# Allegro board RK_NVR_DEMO1_RK3588_LP4XD200P232SD8_V21_20211228_final_lint.brd (continued)
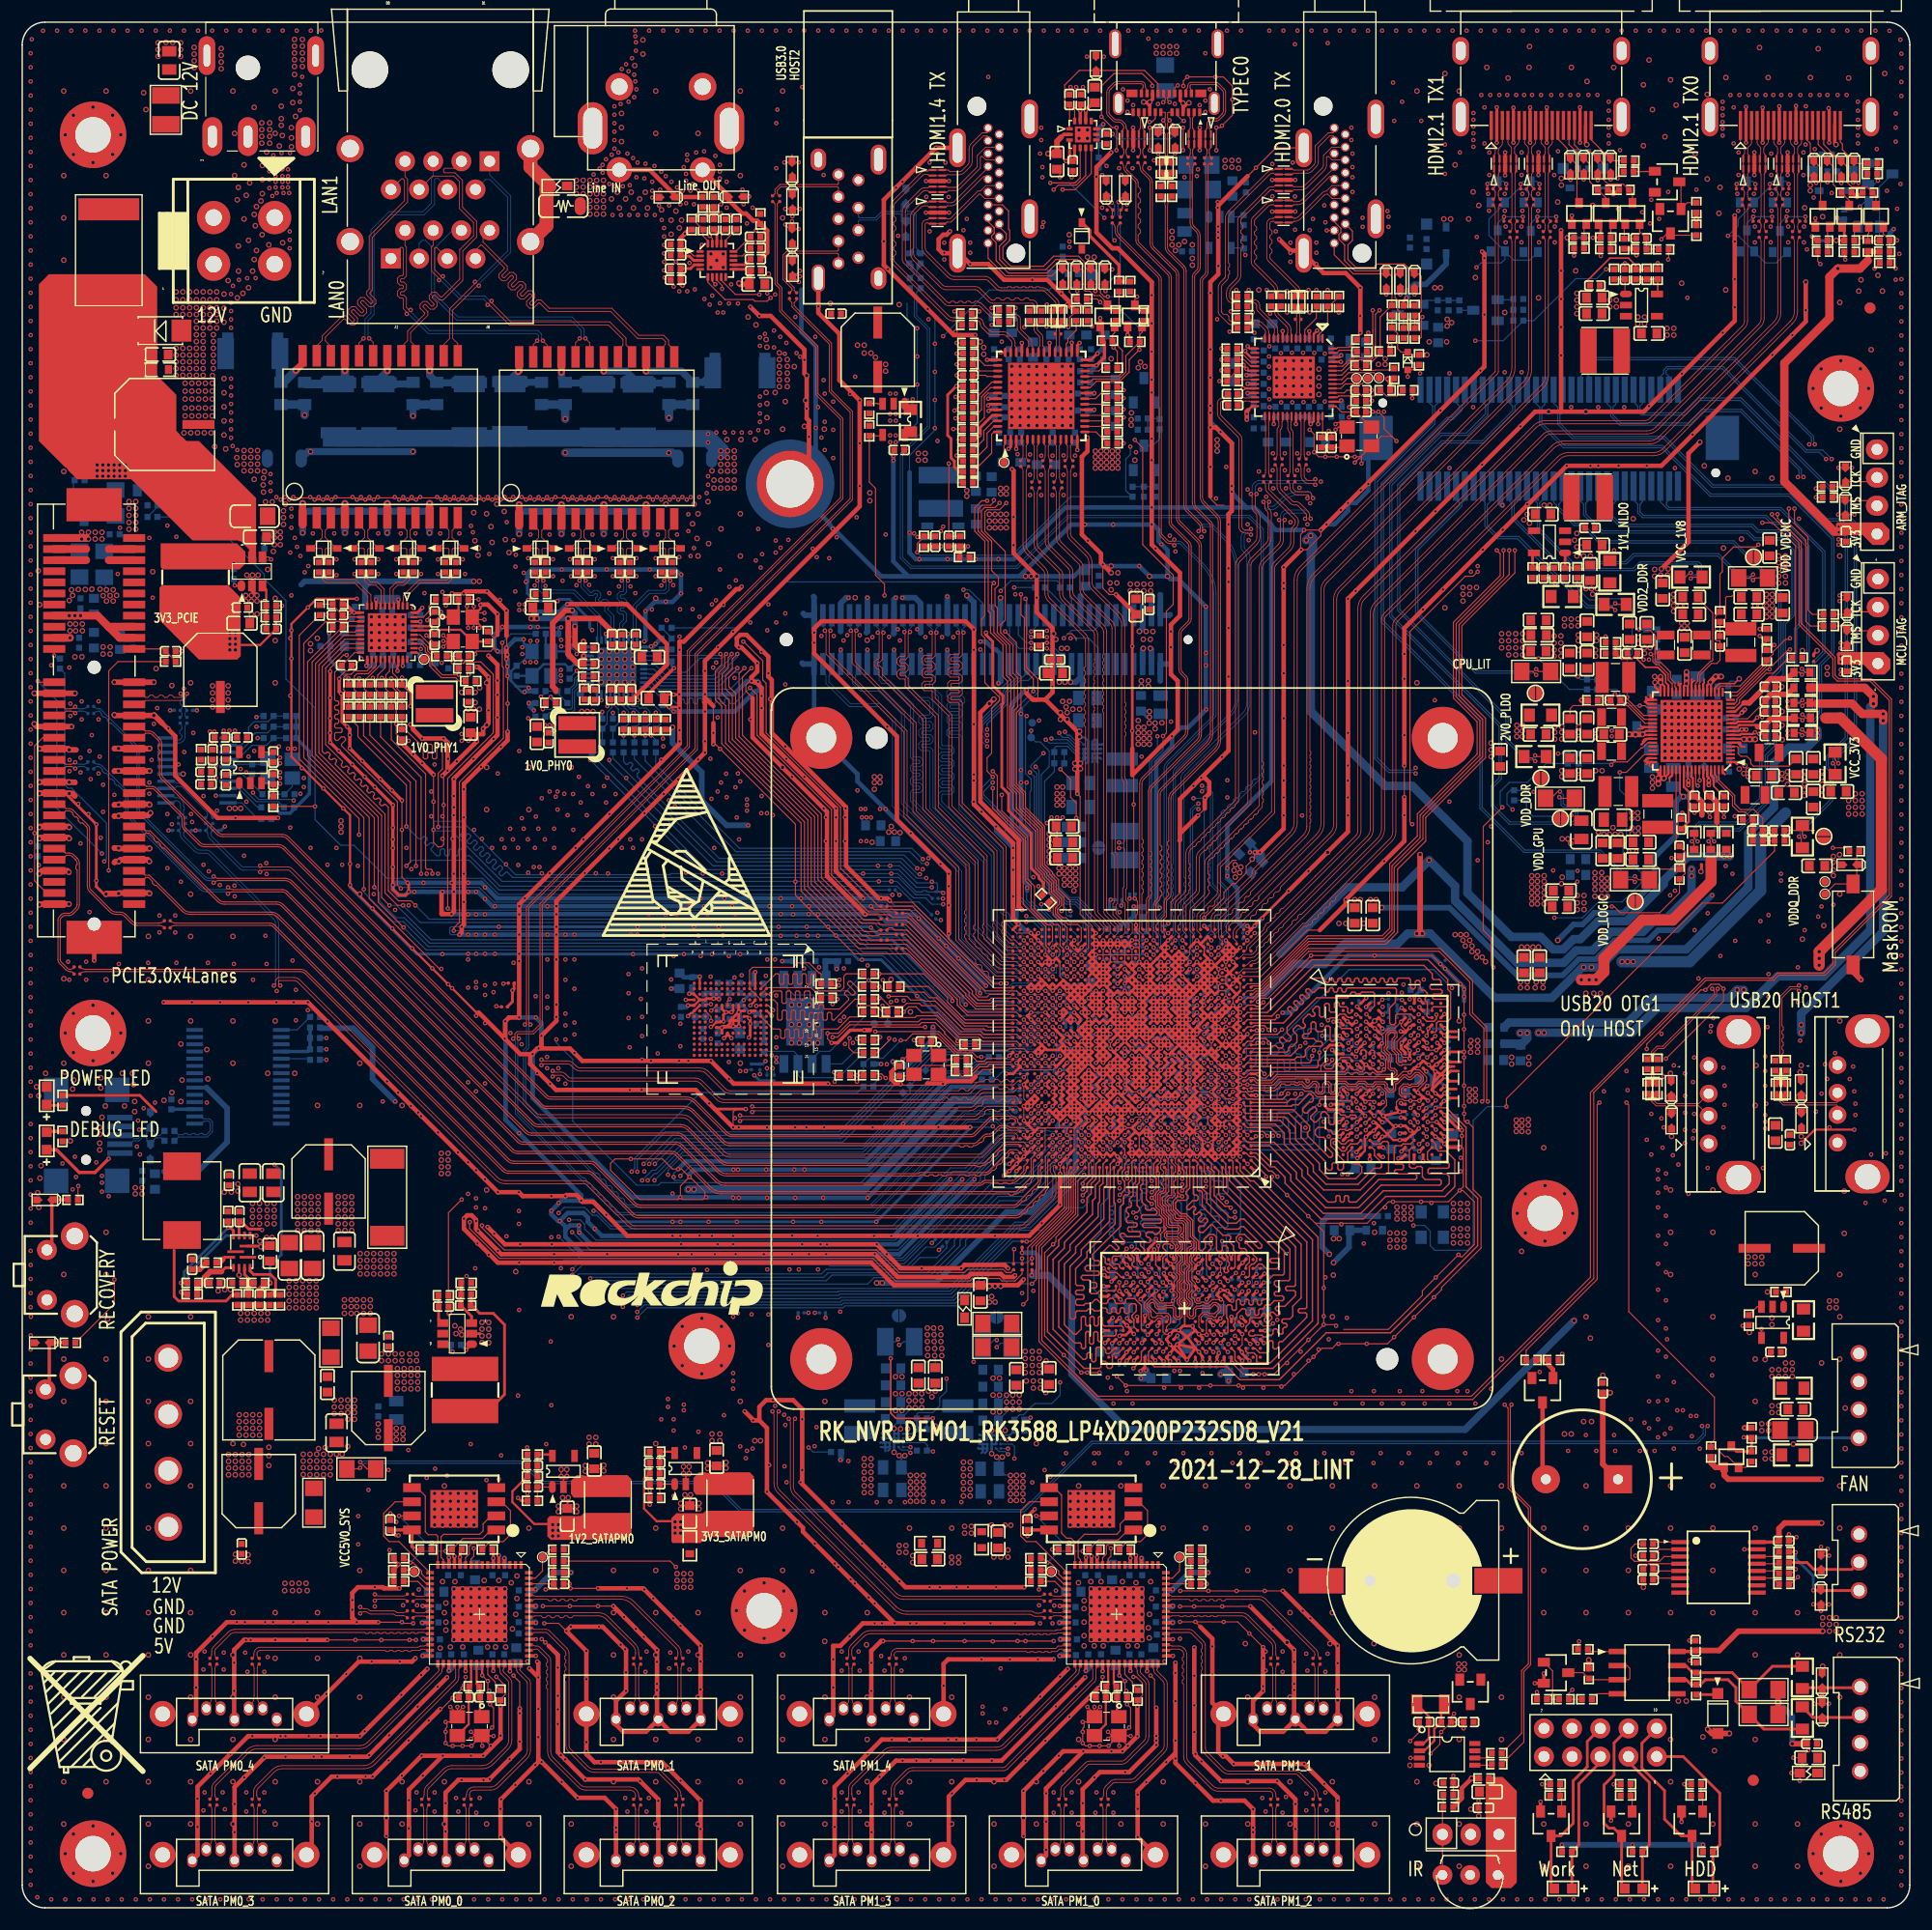
[diagram p0: board, top side]
## Placement (name value [footprint] x y rotation side) (continued)
D5002  B5819W  [SOD_123]  163.1 156.53 0 bottom
D5003  B5819WS  [SOD_323]  140.65 155.04 0 bottom
D5005  B5819W  [SOD_123]  140.65 156.79 0 bottom
D5100  B5819W  [SOD_123]  126.54 149.98 270 bottom
D5101  B5819WS  [SOD_323]  128.29 150.31 270 bottom
D5102  RB520S-30  [SOD_523]  124.84 139.44 180 top
D5500  B5819W  [SOD_123]  94.63 147.19 180 bottom
D5501  B5819WS  [SOD_323]  95.48 150.72 90 top
D6700  BS3500NCF  [SMB_F]  51.84 134.89 270 bottom
D6701  BS3500NCF  [SMB_F]  64.67 138.37 0 bottom
D6702  BS3500NCF  [SMB_F]  43.94 134.92 270 bottom
D6703  BS3500NCF  [SMB_F]  55.5 134.89 270 bottom
D6704  -  [BA301N]  51.84 135.2 270 bottom
D6705  -  [BA301N]  55.5 135.2 270 bottom
D6706  -  [BA301N]  64.67 138.57 0 bottom
D6707  -  [BA301N]  43.94 135.32 270 bottom
D6800  BS3500NCF  [SMB_F]  20.78 140.1 180 bottom
D6801  BS3500NCF  [SMB_F]  28.5 134.92 270 bottom
D6802  BS3500NCF  [SMB_F]  32.15 134.92 270 bottom
D6803  BS3500NCF  [SMB_F]  40.28 134.92 270 bottom
D6804  -  [BA301N]  20.78 140.4 180 bottom
D6805  -  [BA301N]  28.5 135.22 270 bottom
D6806  -  [BA301N]  32.15 135.22 270 bottom
D6807  -  [BA301N]  40.28 135.22 270 bottom
D7000  ESD5451N  [ESD0402]  58.09 154.2 180 top
D7001  ESD5451N  [ESD0402]  64.29 154.24 0 top
D9100  ESD5341N  [ESD0402]  11.54 71.03 90 bottom
D9101  ESD5341N  [ESD0402]  11.54 68.14 270 bottom
D9102  ESD5341N  [ESD0402]  164.27 129.19 90 top
D9103  ESD5341N  [ESD0402]  164.27 126.21 270 top
D9104  ESD5341N  [ESD0402]  164.42 117.46 90 top
D9105  ESD5341N  [ESD0402]  164.42 114.48 270 top
D9200  ESD5451N  [ESD0402]  2.04 63.81 180 top
D9201  ESD5451N  [ESD0402]  1.81 50.93 180 top
D9502  B5819W  [SOD_123]  152.78 17.52 90 top
ED2100  AZ5825-01F  [ESD0402]  152.07 102.35 135 bottom
ED2500  ESD73034D  [SON10_2R50X1R00X0R50]  106.11 159.45 180 top
ED2501  ESD73034D  [SON10_2R50X1R00X0R50]  100.11 159.45 180 top
ED5000  ESD73034D  [SON10_2R50X1R00X0R50]  156.07 157.22 0 top
ED5001  ESD73034D  [SON10_2R50X1R00X0R50]  159.07 157.22 0 top
ED5002  ESD5341N  [ESD0402]  165.06 156.76 270 top
ED5003  ESD5341N  [ESD0402]  163.91 156.75 270 top
ED5004  ESD5341N  [ESD0402]  162.65 156.76 270 top
ED5005  ESD5341N  [ESD0402]  161.45 156.75 270 top
ED5006  ESD73034D  [SON10_2R50X1R00X0R50]  133.62 157.22 0 top
ED5007  ESD73034D  [SON10_2R50X1R00X0R50]  136.62 157.22 0 top
ED5008  ESD5341N  [ESD0402]  143.11 157.01 270 top
ED5009  ESD5341N  [ESD0402]  141.96 157 270 top
ED5010  ESD5341N  [ESD0402]  140.7 157.01 270 top
ED5011  ESD5341N  [ESD0402]  139.5 157 270 top
ED5100  ESD73034D  [SON10_2R50X1R00X0R50]  113.66 155.76 270 top
ED5101  ESD73034D  [SON10_2R50X1R00X0R50]  113.66 152.91 270 top
ED5102  ESD5341N  [ESD0402]  122.91 146.65 270 top
ED5103  ESD5341N  [ESD0402]  125.45 146.65 270 top
ED5104  ESD5341N  [ESD0402]  124.18 146.65 270 top
ED5500  ESD73034D  [SON10_2R50X1R00X0R50]  82.47 155.66 270 top
ED5501  ESD73034D  [SON10_2R50X1R00X0R50]  82.47 152.81 270 top
ED5502  ESD5341N  [ESD0402]  93.75 147.06 270 top
ED5503  ESD5341N  [ESD0402]  96.29 147.06 270 top
ED5504  ESD5341N  [ESD0402]  95.02 147.06 270 top
ED5505  ESD5341N  [ESD0402]  97.56 147.06 270 top
ED6700  UDD32C03L01  [SOD_323]  58.11 122.54 180 top
ED6701  UDD32C03L01  [SOD_323]  54.3 122.54 180 top
ED6702  UDD32C03L01  [SOD_323]  50.49 122.54 180 top
ED6703  UDD32C03L01  [SOD_323]  46.68 122.54 180 top
ED6800  UDD32C03L01  [SOD_323]  27.18 122.54 0 top
ED6801  UDD32C03L01  [SOD_323]  30.99 122.54 0 top
ED6802  UDD32C03L01  [SOD_323]  34.8 122.54 0 top
ED6803  UDD32C03L01  [SOD_323]  38.61 122.54 0 top
ED9500  ESD5451N  [ESD0402]  162.18 17.79 90 top
ED9501  ESD5451N  [ESD0402]  162.18 20.47 90 top
ED9502  ESD5451N  [ESD0402]  162.08 31.14 90 top
ED9503  ESD5451N  [ESD0402]  162.08 27.98 270 top
F2000  JK-SMD200L  [F8050]  7.8 149.42 270 top
FB2201  120R-100MHz  [L0603]  84.91 53.99 90 top
FB5100  120R-100MHz  [L0603]  119.63 140.43 90 bottom
FB5101  120R-100MHz  [L0603]  109.29 138.42 270 bottom
FB5102  120R-100MHz  [L0603]  113.05 132.12 0 bottom
FB5103  120R-100MHz  [L0603]  111.83 142.79 0 bottom
FB5500  120R-100MHz  [L0603]  93.55 141.77 0 bottom
FB5501  120R-100MHz  [L0603]  88.36 143.4 0 bottom
FB5502  120R-100MHz  [L0603]  96.7 141.77 180 bottom
FB5503  120R-100MHz  [L0603]  88.36 141.98 0 bottom
FB5504  120R-100MHz  [L0603]  92.23 130.09 0 bottom
FB5505  120R-100MHz  [L0603]  89.18 130.32 180 bottom
FB6700  120R-100MHz  [L0603]  48.3 155.21 180 top
FB9500  120R-100MHz  [L0603]  160.96 12.15 180 top
H9900  HOLE_3R20  [HOLE_C3R20_C6R00]  61.24 50.64 0 top
H9901  HOLE_3R20  [HOLE_C3R20_C6R00]  6.38 4.88 0 top
H9902  HOLE_3R20  [HOLE_C3R20_C6R00]  163.86 4.88 0 top
H9903  HOLE_3R20  [HOLE_C3R20_C6R00]  6.38 159.82 0 top
H9904  HOLE_3R20  [HOLE_C3R20_C6R00]  163.86 136.96 0 top
H9905  HOLE_3R20  [HOLE_C3R20_C6R00]  6.38 78.86 0 top
H9906  HOLE_3R20  [HOLE_C3R20_C6R00]  66.85 26.79 0 top
H9907  HOLE_3R20  [HOLE_C3R20_C6R00]  137.21 62.6 0 top
IR9000  IRM_3638  [IJ3_IRM_3638]  130.46 2.96 0 top
J2000  DC-0007-5P  [DC3_DC_0007_5P]  20.34 169.97 270 top
J2001  ATXPOWER_4_4R20_V  [CNN4F_4R20_V_H_DIP]  22.75 152.36 270 top
J2002  SATA_IDE_DIP_4Pin  [SATA-IDE4M_5R08_DIP]  13.16 34.33 90 top
J2100  JM  [OPEN]  136.83 101.85 270 top
J2101  JM  [OPEN]  162.33 96.56 0 top
J2102  JM  [OPEN]  138.62 98.19 90 top
J2103  JM  [OPEN]  136.36 109.49 90 top
J2104  JM  [OPEN]  145.35 90.72 90 top
J2105  JM  [OPEN]  155.99 121.76 270 top
J2200  JM  [OPEN]  87.79 53.24 90 bottom
J2201  CR1220-3V  [BAT_CR1220]  125.19 29.48 180 top
J2202  JM  [OPEN]  79 53.37 90 bottom
J2203  JM  [OPEN]  97 95.55 0 bottom
J2500  USB30_TYPE-C Receptacle  [TYPEC30_24P_SD-2012670005]  103.1 165.35 180 top
J2501  USB30_A_V  [USB30A9_25R70X7R32X13R85]  74.45 152.24 90 top
J2502  USB-AF-06-003  [USB20A4_UA04-DHF-PW137]  151.95 72.4 90 top
J2503  USB-AF-06-003  [USB20A4_UA04-DHF-PW137]  163.56 72.47 90 top
J5000  HDMI_TYPE_A  [HDMIA19_HDMI_01A]  154.82 160.67 0 top
J5001  HDMI_TYPE_A  [HDMIA19_HDMI_01A]  132.36 160.67 0 top
J5100  HDMI_TYPEA_HD19-01SRHR  [HDMIA19_51R019S]  117.22 162.4 180 top
J5500  HDMI_TYPEA_HD19-01SRHR  [HDMIA19_51R019S]  86.03 162.4 180 top
J6700  RJSAE5F8002  [RJ45_SAE5F8002]  33.22 148.67 180 top
J7000  -  [PJ3_RCA_2X1]  57.55 160.41 0 top
J8200  -  [SATA30_7P_V_DIP]  61.12 16.98 0 top
J8201  -  [SATA30_7P_V_DIP]  61.12 4.28 0 top
J8202  -  [SATA30_7P_V_DIP]  42.03 4.28 0 top
J8203  -  [SATA30_7P_V_DIP]  22.94 4.28 0 top
J8204  -  [SATA30_7P_V_DIP]  22.94 16.98 0 top
J8300  -  [SATA30_7P_V_DIP]  118.53 16.98 0 top
J8301  -  [SATA30_7P_V_DIP]  118.53 4.28 0 top
J8302  -  [SATA30_7P_V_DIP]  99.44 4.28 0 top
J8303  -  [SATA30_7P_V_DIP]  80.35 4.28 0 top
J8304  -  [SATA30_7P_V_DIP]  80.35 16.98 0 top
J8400  PCIe-SMT-64PIN  [PCIE64_X4_SMT]  6.49 111.83 270 top
J9000  CN3M_2R54_V  [CN3M_2R54_V_DIP]  127.97 6.62 0 top
J9001  P101-2x5SGF01  [CNN10M_2R54_V_DIP]  142.25 14.97 0 top
J9100  USB20_mini  [USB20MIN5_USB_M5_03_002]  5.93 69.63 0 bottom
J9101  CON4M_1X4_2R54_V  [CN4M_2R54_V_DIP]  167.13 131.47 270 top
J9102  CON4M_1X4_2R54_V  [CN4M_2R54_V_DIP]  167.2 119.78 270 top
J9500  CN4M_2R54_V  [CN4M_2R54_V_P_DIP]  165.6 16.11 270 top
J9501  CN3M_2R54_V  [CN3M_2R54_V_P_DIP]  165.5 31.14 270 top
J9800  PowerMeterage  [CNN60_0R80_B406]  137.59 132.5 180 bottom
J9901  Radiator_Fan_65x65  [RADIATOR_FAN_65RX65RX20R]  100 77.46 0 top
L2000  1.5uH  [IND_707028]  14.4 63.75 90 top
L2001  2.2uH  [IND_404026]  141.09 127.14 0 top
L2002  6.8uH  [IND_606045]  39.9 46.68 270 top
L2100  0.47uH  [IND_201610]  148.08 113.83 270 top
L2101  0.22uH  [IND_322512]  143.81 100.63 180 top
L2102  0.47uH  [IND_201610]  143.2 104.26 0 top
L2103  0.22uH  [IND_322512]  143.56 110.91 180 top
L2104  0.47uH  [IND_201610]  156.13 100.32 180 top
L2105  0.22uH  [IND_322512]  147.37 98.59 270 top
L2106  0.47uH  [IND_201610]  157.4 104.13 180 top
L2107  0.22uH  [IND_322512]  154.86 114.09 90 top
L2108  0.47uH  [IND_201610]  151.33 113.83 270 top
L2109  0.47uH  [IND_201610]  143.2 107.33 180 top
L2200  0.22uH  [IND_322512]  84.3 44.04 90 bottom
L2201  0.22uH  [IND_322512]  75.46 44.04 90 bottom
L2202  0.22uH  [IND_322512]  99.13 102.35 270 bottom
L2500  NC  [RP2_0405]  103.1 156.86 270 top
L2501  NC  [RP2_0405]  80.44 148.58 270 bottom
L2502  NC  [RP2_0405]  146.9 73.83 90 top
L2503  NC  [RP2_0405]  158.46 73.8 90 top
L5100  NC  [RP2_0405]  114.97 144.8 270 top
L5101  2.2uH  [IND_404026]  142.62 140.35 180 top
L5500  NC  [RP2_0405]  93.32 143.5 270 top
L5501  2.2uH  [IND_404026]  82.78 127.65 90 bottom
L6700  2.2uH  [IND_303015]  50.01 105.73 0 top
L6800  2.2uH  [IND_303015]  37.16 108.55 0 top
L8200  2.2uH  [IND_404026]  63.8 36.49 270 top
L8201  2.2uH  [IND_404026]  52.77 36.33 270 top
L8400  4.7uH  [IND_606045]  15.62 119.93 270 top
LED2000  LED_GREEN  [LED0603]  2.21 73.19 90 top
LED9000  LED_BLUE  [LED0603]  138.83 1.74 180 top
LED9001  LED_GREEN  [LED0603]  151.53 1.74 180 top
LED9002  LED_GREEN  [LED0603]  145.18 1.74 180 top
LED9100  LED_RED  [LED0603]  2.21 69.13 90 top
M9900  -  [MARK]  166.49 144.21 180 bottom
M9901  -  [MARK]  155.98 11.49 180 bottom
M9902  -  [MARK]  155.98 11.49 0 top
M9903  -  [MARK]  166.49 144.21 0 top
M9904  -  [MARK]  5.91 10.33 0 top
M9905  -  [MARK]  5.91 10.33 180 bottom
NOREF  -  []  46.71 54.09 0 top
NOREF#2  -  []  175.54 99.81 0 top
NOREF#3  -  []  5.66 17.52 0 top
NOREF#4  -  []  60.83 94.33 0 top
Q1700  WNM6002-3/TR  [SOT_323]  158.37 150.21 180 bottom
Q1701  WNM6002-3/TR  [SOT_323]  155.4 154.68 180 bottom
Q1702  WNM6002-3/TR  [SOT_323]  155.4 150.26 180 bottom
Q1703  WNM6002-3/TR  [SOT_323]  158.37 154.68 180 bottom
Q1704  WNM6002-3/TR  [SOT_323]  135.92 150.21 180 bottom
Q1705  WNM6002-3/TR  [SOT_323]  132.95 154.68 180 bottom
Q1706  WNM6002-3/TR  [SOT_323]  132.95 150.26 180 bottom
Q1707  WNM6002-3/TR  [SOT_323]  135.92 154.68 180 bottom
Q5000  2SK3018  [SOT_323]  164.63 152.48 0 top
Q5001  2SK3018  [SOT_323]  167.03 152.48 0 top
Q5002  2SK3018  [SOT_323]  162.22 152.48 0 top
Q5003  2SK3018  [SOT_323]  142.68 152.74 0 top
Q5004  2SK3018  [SOT_323]  145.09 152.74 0 top
Q5005  2SK3018  [SOT_323]  140.28 152.74 0 top
Q5006  S8050  [SOT_23]  166.39 152.65 180 bottom
Q5007  S8050  [SOT_23]  167.41 156.3 90 bottom
Q5008  S8050  [SOT_23]  148.51 152.04 180 top
Q5009  S8050  [SOT_23]  148.21 155.59 270 top
Q5100  WPM2015-3/TR  [SOT_23]  125.04 143.6 270 bottom
Q5101  S8050  [SOT_23]  131.85 144.01 270 bottom
Q5500  WPM2015-3/TR  [SOT_23]  101.06 136.8 180 bottom
Q5501  2SK3018  [SOT_323]  97.78 143.5 0 top
Q5502  2SK3018  [SOT_323]  100.25 143.5 0 top
Q5503  S8050  [SOT_23]  101.06 130.7 180 bottom
Q7000  S8050  [SOT_23]  136.98 46.66 180 top
Q8400  WPM3407-3/TR  [SOT_23]  5.57 126.2 0 bottom
Q8401  S8050  [SOT_23]  11.32 128.88 180 bottom
Q9000  S8050  [SOT_23]  137.76 7.58 180 top
Q9001  S8050  [SOT_23]  150.46 7.58 180 top
Q9002  S8050  [SOT_23]  144.11 7.58 180 top
Q9500  S8050  [SOT_23]  138.2 21.19 270 top
Q9501  2SK3018  [SOT_323]  154 40.66 0 top
R1100  22R  [R0402]  84.63 76.45 0 top
R1101  510K  [R0402]  84.63 75.43 180 top
R1102  0R  [R0201]  89.18 73.91 90 bottom
R1103  0R  [R0402]  84.63 75.94 180 bottom
R1104  22R  [R0402]  86.92 74.67 180 bottom
R1105  22R  [R0402]  74.14 75.05 0 top
R1106  22R  [R0402]  76.25 74.03 180 bottom
R1107  22R  [R0402]  76.25 75.05 180 top
R1108  0R  [R0402]  76.25 75.05 180 bottom
R1109  100K  [R0402]  87.55 76.7 180 bottom
R1110  120K  [R0402]  76.25 76.07 0 bottom
R1111  2.2K  [R0201]  65.71 75.81 270 bottom
R1112  2.2K  [R0201]  66.47 75.81 270 bottom
R1113  100K  [R0402]  81.07 75.18 225 bottom
R1114  120K  [R0402]  79.68 73.78 225 bottom
R1115  2.2K  [R0201]  70.18 53.64 0 bottom
R1116  2.2K  [R0201]  72.11 53.64 180 bottom
R1117  2.2K  [R0201]  67.1 74.8 90 bottom
R1118  2.2K  [R0201]  67.74 74.8 90 bottom
R1200  240R  [R0201]  106.86 77.61 180 bottom
R1201  240R  [R0201]  107.47 70.96 90 bottom
R1202  240R  [R0201]  106.83 70.96 270 bottom
R1203  240R  [R0201]  100.05 69.84 0 bottom
R1204  0R  [R0603]  121.84 61.08 0 bottom
R1205  0R  [R0402]  122.6 62.35 0 bottom
R1300  0R  [R0402]  76.25 83.05 180 bottom
R1301  0R  [R0402]  76.25 81.91 180 bottom
R1302  0R  [R0402]  76.25 77.08 180 bottom
R1303  0R  [R0402]  76.25 84.19 180 bottom
R1304  0R  [R0402]  78.41 80.76 180 bottom
R1305  0R  [R0402]  72.44 82.03 180 top
R1306  0R  [R0402]  72.44 83.3 180 top
R1307  0R  [R0402]  76.25 78.22 180 bottom
R1308  0R  [R0402]  76.25 80.76 180 top
R1309  0R  [R0402]  76.25 83.05 180 top
R1310  0R  [R0402]  85.39 77.84 180 top
R1311  0R  [R0402]  76.25 81.91 180 top
R1312  0R  [R0402]  78.53 83.05 180 top
R1313  0R  [R0402]  76.25 77.08 180 top
R1314  0R  [R0402]  76.25 84.19 180 top
R1315  0R  [R0402]  78.41 80.76 180 top
R1316  0R  [R0402]  76.25 78.22 180 top
R1400  200R  [R0201]  102.79 88.26 90 bottom
R1401  8.2K  [R0201]  100 84.29 180 bottom
R1402  200R  [R0201]  106.98 88.77 90 bottom
R1403  200R  [R0201]  106.3 83.69 270 bottom
R1404  200R  [R0201]  106.3 84.89 90 bottom
R1405  8.2K  [R0201]  100 83.66 180 bottom
R1500  2.2K  [R0201]  43.46 81.22 180 top
R1501  2.2K  [R0201]  44.07 83.35 180 top
R1502  10K  [R0402]  98.22 88.23 180 bottom
R1503  100K  [R0402]  100.96 89.76 270 bottom
R1504  0R  [R0201]  79.04 87.75 180 top
R1505  0R  [R0201]  77.65 87.24 180 top
R1506  0R  [R0201]  79.04 89.65 180 top
R1507  0R  [R0201]  79.04 88.64 180 top
R1508  0R  [R0201]  77.65 88.13 180 top
R1509  0R  [R0201]  77.65 89.15 180 top
R1510  DNP  [R0402]  100.86 88.03 180 bottom
R1511  0R  [R0201]  90.19 80.89 180 bottom
R1512  0R  [R0201]  77.65 90.29 180 top
R1513  0R  [R0201]  79.04 86.48 180 top
R1514  100R  [R0402]  165.07 95.24 0 top
R1700  499R  [R0201]  160.42 152.04 0 top
R1701  499R  [R0201]  159.22 152.04 180 top
R1702  499R  [R0201]  155.92 154.96 0 top
R1703  499R  [R0201]  154.72 154.96 180 top
R1704  499R  [R0201]  157.42 152.04 0 top
R1705  499R  [R0201]  156.22 152.04 180 top
R1706  499R  [R0201]  158.92 154.96 0 top
R1707  499R  [R0201]  157.72 154.96 180 top
R1708  8.2K  [R0201]  109.98 87.62 90 bottom
R1709  499R  [R0201]  137.96 152.04 0 top
R1710  499R  [R0201]  136.77 152.04 180 top
R1711  499R  [R0201]  133.46 154.96 0 top
R1712  499R  [R0201]  132.27 154.96 180 top
R1713  499R  [R0201]  134.96 152.04 0 top
R1714  499R  [R0201]  133.77 152.04 180 top
R1715  499R  [R0201]  136.46 154.96 0 top
R1716  499R  [R0201]  135.27 154.96 180 top
R1717  8.2K  [R0201]  111.45 88.13 90 bottom
R1800  200R  [R0201]  88.52 66.77 270 bottom
R1801  200R  [R0201]  89.23 65.91 180 bottom
R1900  0R  [R0201]  89.44 78.48 180 bottom
R1901  0R  [R0201]  89.46 79.75 180 bottom
R1902  0R  [R0201]  78.4 91.75 180 bottom
R1903  0R  [R0201]  82.13 89.33 135 bottom
R1904  0R  [R0201]  92.37 83.13 180 bottom
R1905  0R  [R0201]  82.26 90.99 180 bottom
R1906  0R  [R0201]  93.68 84.39 90 bottom
R1907  0R  [R0201]  89.55 81.58 180 bottom
R1908  0R  [R0201]  91.73 80.88 225 bottom
R1909  0R  [R0201]  89.55 82.34 180 bottom
R1910  0R  [R0201]  91.15 83.13 180 bottom
R1911  0R  [R0201]  89.46 79.11 180 bottom
R1912  0R  [R0201]  94.46 89.15 90 bottom
R1913  2.2K  [R0201]  90.09 59.81 90 top
R1914  2.2K  [R0201]  90.98 57.78 90 top
R1915  2.2K  [R0201]  82.47 60.44 45 bottom
R1916  2.2K  [R0201]  83.11 59.81 45 bottom
R1917  22R  [R0201]  90.09 57.78 270 top
R1918  22R  [R0201]  89.33 57.78 270 top
R1922  0R  [R0402]  92.23 90.97 135 top
R2000  2R  [R1210]  12.94 162.07 90 top
R2001  0R  [R1206]  26.29 36.52 270 top
R2002  10K  [R0603]  12.45 138.66 0 top
R2003  0R  [R1206]  27.81 50.94 270 top
R2004  510K  [R0402]  23.24 54.81 90 top
R2005  3.3R  [R0402]  17.04 58.16 180 top
R2006  0.01R  [R2512]  32.89 64.05 270 top
R2007  2.2K  [R0402]  3.63 72.79 270 top
R2008  100K  [R0402]  22.32 54.81 270 top
R2009  100K  [R0402]  15.31 55.31 180 top
R2010  0R  [R0805]  143.05 120.44 270 top
R2011  10K  [R0402]  140.13 120.34 90 top
R2012  100K  [R0402]  138.06 120.34 90 top
R2013  120K  [R0402]  136.09 120.34 270 top
R2014  0R  [R0805]  138.76 118.2 0 top
R2015  DNP  [R0402]  19.38 54.81 270 top
R2016  DNP  [R0402]  20.39 54.81 90 top
R2017  43K  [R0402]  21.31 56.33 180 top
R2018  7.5K  [R0402]  19.38 56.33 180 top
R2019  100K  [R0402]  15.31 56.33 180 top
R2020  100K  [R0402]  18.57 62.32 90 top
R2021  10K  [R0402]  37.96 55.21 180 top
R2022  232K  [R0402]  39.97 54.29 180 top
R2023  30K  [R0402]  40 56.33 0 top
R2024  0.01R  [R1206]  30.55 39.57 180 top
R2100  0.01R  [R1206]  138.55 100.02 180 top
R2101  100K  [R0402]  147.33 112.82 270 bottom
R2102  0.02R  [R0805]  143.53 117.49 0 top
R2103  120K  [R0402]  147.33 114.79 270 bottom
R2104  100R  [R0402]  135.54 100.29 90 bottom
R2111  0.01R  [R0805]  136.32 103.78 0 top
R2112  0.01R  [R1206]  136.41 111.45 180 top
R2113  100R  [R0402]  139.26 103.6 270 bottom
R2114  100R  [R0402]  141.91 110.28 270 bottom
R2121  0.02R  [R0805]  160.4 96.56 90 top
R2122  0.01R  [R1206]  145.31 92.68 180 top
R2123  0R  [R0402]  158.34 96.18 180 top
R2124  100R  [R0402]  149.32 93.18 270 top
R2125  20K  [R0402]  156.39 96.18 180 top
R2126  100K  [R0402]  155.49 98.09 180 top
R2127  0.02R  [R0805]  163.35 103.17 90 top
R2128  0.01R  [R1206]  155.95 119.88 0 top
R2129  100R  [R0402]  152.97 116.37 90 top
R2130  0.02R  [R0805]  150.37 119.96 0 top
R2131  0R  [R0805]  136.8 107.51 180 top
R2132  0.02R  [R0603]  152.14 96.13 270 top
R2133  0.05R  [R0603]  150.65 96.13 270 top
R2134  100K  [R0402]  157.2 112.92 90 top
R2135  0.02R  [R0603]  153.54 96.13 270 top
R2136  100K  [R0402]  143.12 114.08 0 top
R2137  10K  [R0402]  157.2 114.83 270 top
R2138  10K  [R0402]  141.53 108.86 0 top
R2139  0.05R  [R0603]  160.36 111.37 0 top
R2140  100K  [R0402]  143.12 113.07 180 top
R2141  0R  [R0603]  160.36 109.97 0 top
R2142  0.02R  [R0603]  160.36 108.62 0 top
R2143  0.02R  [R0603]  160.4 107.26 0 top
R2144  0.05R  [R0603]  160.37 105.91 0 top
R2150  100K  [R0402]  159.94 112.69 0 top
R2200  0.01R  [R1210]  87.85 50.9 0 bottom
R2201  0.01R  [R1210]  79.06 51.02 0 bottom
R2202  100R  [R0402]  89.85 43.99 180 bottom
R2203  100R  [R0402]  81.06 44.12 180 bottom
R2204  100K  [R0402]  73.33 41.09 180 bottom
R2205  120K  [R0402]  81.06 41.22 180 bottom
R2206  0.01R  [R1210]  99.34 95.75 270 bottom
R2207  100R  [R0402]  93.44 103.17 180 bottom
R2209  0R  [R0402]  132.86 13.95 0 top
R2210  0R  [R0402]  132.86 12.94 0 top
R2220  0R  [R1206]  87.86 50.54 180 top
R2221  0R  [R1206]  87.86 52.67 180 top
R2500  4.7K  [R0402]  97 159.35 90 bottom
R2501  DNP  [R0402]  97 157.32 270 bottom
R2502  0R  [R0201]  107.16 157.47 90 top
R2503  0R  [R0201]  106.53 157.47 90 top
R2505  10K  [R0402]  110.26 155.08 270 bottom
R2506  0R  [R0402]  103.6 156.86 90 top
R2507  2.2R  [R0402]  103.6 154.73 90 top
R2508  2.2R  [R0402]  102.59 154.73 90 top
R2509  0R  [R0402]  102.59 156.86 90 top
R2510  DNP  [R0402]  110.08 150.03 90 bottom
R2511  4.7K  [R0402]  110.06 152.14 270 bottom
R2512  0R  [R0201]  67.61 154.07 90 top
R2513  0R  [R0805]  80.03 134.05 90 top
R2514  0R  [R0201]  68.25 154.07 90 top
R2515  10K  [R0402]  79.63 135.37 90 bottom
R2516  DNP  [R0402]  76.32 133.14 90 top
R2517  4.7K  [R0402]  76.32 135.17 270 top
R2518  0R  [R0402]  80.95 148.68 90 bottom
R2519  2.2R  [R0402]  80.95 146.45 90 bottom
R2520  2.2R  [R0402]  79.98 146.45 90 bottom
R2521  0R  [R0402]  79.93 148.68 90 bottom
R2522  0R  [R0402]  147.36 73.83 270 top
R2523  2.2R  [R0402]  147.36 76.04 270 top
R2524  2.2R  [R0402]  146.44 76.04 270 top
R2525  0R  [R0402]  146.44 73.83 270 top
R2526  0R  [R0805]  160.5 52.98 90 top
R2527  0R  [R0402]  158.91 73.8 270 top
R2528  2.2R  [R0402]  158.91 75.92 270 top
R2529  10K  [R0402]  158.47 55.52 180 top
R2530  2.2R  [R0402]  158 75.92 270 top
R2531  0R  [R0402]  158 73.8 270 top
R2532  4.7K  [R0402]  155.57 52.98 270 top
R2533  100K  [R0201]  98.93 152.14 90 bottom
R2534  100K  [R0201]  98.22 152.14 90 bottom
R2535  2M  [R0201]  98.02 153.05 180 top
R2536  2M  [R0201]  99.24 153.05 0 top
R2537  0R  [R0201]  101.17 157.57 90 top
R2538  0R  [R0201]  100.53 157.57 90 top
R2539  0R  [R1206]  106.02 154.88 0 bottom
R3800  0R  [R0603]  132.8 79.36 0 bottom
R3801  49.9R  [R0201]  121.46 75.4 90 bottom
R3802  49.9R  [R0201]  122.22 75.4 90 bottom
R3803  0R  [R0603]  132.8 77.89 0 bottom
R3804  49.9R  [R0201]  120.57 73.91 0 bottom
R3805  49.9R  [R0201]  121.97 73.91 0 bottom
R3806  10K  [R0201]  118.79 77.34 0 bottom
R3807  10K  [R0201]  118.81 72.26 180 bottom
R3808  0R  [R0805]  127.05 60.44 180 bottom
R3809  240R  [R0201]  123.11 81.65 90 bottom
R3810  240R  [R0201]  123.87 81.65 90 bottom
R3811  0R  [R0805]  127.05 62.73 180 bottom
R3812  49.9R  [R0201]  105.46 55.87 270 bottom
R3813  49.9R  [R0201]  105.46 54.73 90 bottom
R3814  49.9R  [R0201]  102.64 57.65 225 bottom
R3815  49.9R  [R0201]  103.83 56.38 270 bottom
R3816  10K  [R0201]  107.52 58.69 270 bottom
R3817  10K  [R0201]  101.98 58.39 0 bottom
R3818  240R  [R0201]  112.06 54.86 0 bottom
R3819  240R  [R0201]  111.94 52.7 0 bottom
R4000  10K  [R0402]  66.32 82.34 0 bottom
R4001  10K  [R0402]  61.49 81.91 270 bottom
R4002  10K  [R0402]  64.06 81.32 180 bottom
R4003  0R  [R0402]  63.68 82.92 270 bottom
R4004  47K  [R0402]  64.69 82.92 90 bottom
R4300  10K  [R0402]  66.85 77.59 270 bottom
R4301  10K  [R0402]  69.9 85.34 0 bottom
R4734  0R  [R0402]  91.72 119.02 0 bottom
R4735  0R  [R0402]  91.62 114.24 90 top
R4736  0R  [R0402]  93.95 119.02 0 bottom
R5000  10K  [R0402]  164.16 152.65 90 bottom
R5001  1.8K  [R0402]  164.37 154.61 180 top
R5002  10K  [R0402]  164.63 150.3 0 top
R5003  22R  [R0402]  164.63 149.27 0 top
R5004  1.2K  [R0402]  166.71 157.24 180 top
R5005  47K  [R0402]  167.82 150.31 180 bottom
R5006  10K  [R0402]  167.82 149.29 0 top
R5007  1.8K  [R0402]  166.27 154.61 0 top
R5008  22R  [R0402]  167.82 148.28 0 top
R5009  27K  [R0402]  162.22 150.29 0 top
R5010  0R  [R0402]  163.1 156.53 0 bottom
R5011  22R  [R0402]  162.23 149.29 0 top
R5012  10K  [R0402]  142.68 150.56 0 top
R5013  1.8K  [R0402]  142.43 154.86 180 top
R5014  10K  [R0402]  150.85 151.22 270 top
R5015  22R  [R0402]  142.68 149.53 0 top
R5016  1.2K  [R0402]  144.77 157.5 180 top
R5017  47K  [R0402]  150.85 153.26 90 top
R5018  10K  [R0402]  145.9 149.52 0 top
R5019  1.8K  [R0402]  144.33 154.86 0 top
R5020  22R  [R0402]  147.9 149.5 180 top
R5021  27K  [R0402]  140.28 150.54 0 top
R5022  0R  [R0402]  140.65 156.79 0 bottom
R5023  22R  [R0402]  140.28 149.57 0 top
R5025  1K  [R0402]  166.29 149.8 90 top
R5026  1K  [R0402]  144.35 150 90 top
R5027  47K  [R0402]  166.7 156.3 180 top
R5028  47K  [R0402]  144.75 156.51 180 top
R5100  12K  [R0402]  109.03 138.59 180 top
R5101  10K  [R0402]  109.03 137.62 0 top
R5102  22R  [R0402]  109.03 140.56 180 top
R5103  2.2R  [R0402]  109.94 142.41 180 top
R5104  2.2R  [R0402]  109.94 143.3 180 top
R5105  2.2R  [R0402]  109.94 144.37 180 top
R5106  2.2R  [R0402]  109.94 145.26 180 top
R5107  22R  [R0402]  109.03 139.55 180 top
R5108  2.2R  [R0402]  112.55 144.82 90 top
R5109  2.2R  [R0402]  113.44 144.82 90 top
R5110  2.2R  [R0402]  114.51 144.8 90 top
R5111  2.2R  [R0402]  115.43 144.8 90 top
R5112  22R  [R0402]  120.63 139.04 0 top
R5113  10.5K  [R0402]  116.61 144.8 90 top
R5114  47K  [R0402]  122.81 140.3 0 top
R5115  0R  [R0402]  117.06 132.09 90 top
R5116  10K  [R0402]  117.63 144.8 90 top
R5117  10K  [R0402]  120.63 135.85 0 top
R5118  10K  [R0402]  120.71 140.27 0 top
R5119  10K  [R0402]  120.71 141.36 0 top
R5120  0R  [R0402]  126.54 149.98 270 bottom
R5121  100K  [R0402]  122.81 136.8 180 top
R5122  0R  [R0402]  124.84 136.8 180 top
R5123  1.8K  [R0402]  124.46 143.98 270 top
R5124  22R  [R0402]  124.46 141.95 90 top
R5125  1.8K  [R0402]  125.47 143.98 270 top
R5126  100K  [R0402]  128.53 144.45 90 bottom
R5127  22R  [R0402]  125.47 141.95 90 top
R5128  10K  [R0402]  129.49 144.45 270 bottom
R5129  10K  [R0402]  134.8 143.07 180 bottom
R5130  51K  [R0402]  134.8 144.04 0 bottom
R5131  10K  [R0402]  143.43 147.25 270 top
R5132  100K  [R0402]  146.38 147.25 270 top
R5133  150K  [R0402]  147.37 147.25 90 top
R5135  470K  [R0402]  125.85 139.54 270 top
R5136  10K  [R0402]  118.64 144.8 270 top
R5137  1.2K  [R0402]  123.42 144.01 90 top
R5138  0R  [R0402]  123.62 138.32 270 top
R5139  10K  [R0402]  123.42 141.98 270 top
R5500  0R  [R0402]  85.21 133.3 180 top
R5501  0R  [R0402]  85.21 134.27 180 top
R5502  0R  [R0402]  85.21 135.23 180 top
R5503  0R  [R0402]  85.21 136.2 180 top
R5504  100K  [R0402]  85.21 137.16 180 top
R5506  100K  [R0402]  85.21 132.34 180 top
R5507  4.7K  [R0402]  85.21 139.13 180 top
R5508  100K  [R0402]  85.21 131.37 180 top
R5509  4.7K  [R0402]  85.21 140.1 180 top
R5510  100K  [R0402]  85.21 130.41 180 top
R5511  10K  [R0402]  85.21 128.48 180 top
R5512  2.2R  [R0402]  88.47 144.01 180 top
R5513  10K  [R0402]  85.21 141.06 180 top
R5514  2.2R  [R0402]  85.11 142.69 180 top
R5515  2.2R  [R0402]  88.47 142.99 180 top
R5516  2.2R  [R0402]  85.11 143.71 180 top
R5517  2.2R  [R0402]  90.8 143.5 90 top
R5518  2.2R  [R0402]  91.82 143.5 90 top
R5519  2.2R  [R0402]  92.81 143.5 90 top
R5520  0R  [R0201]  89.96 130.19 90 top
R5521  0R  [R0201]  90.67 130.19 90 top
R5522  2.2R  [R0402]  93.73 143.5 90 top
R5523  0R  [R0201]  90.96 128.26 90 top